# KiCad board AMC_FMC_Carrier-PcbDoc.kicad_pcb
note: Michał Gąska & Larry Doolittle; note: Marble Dual FMC Carrier
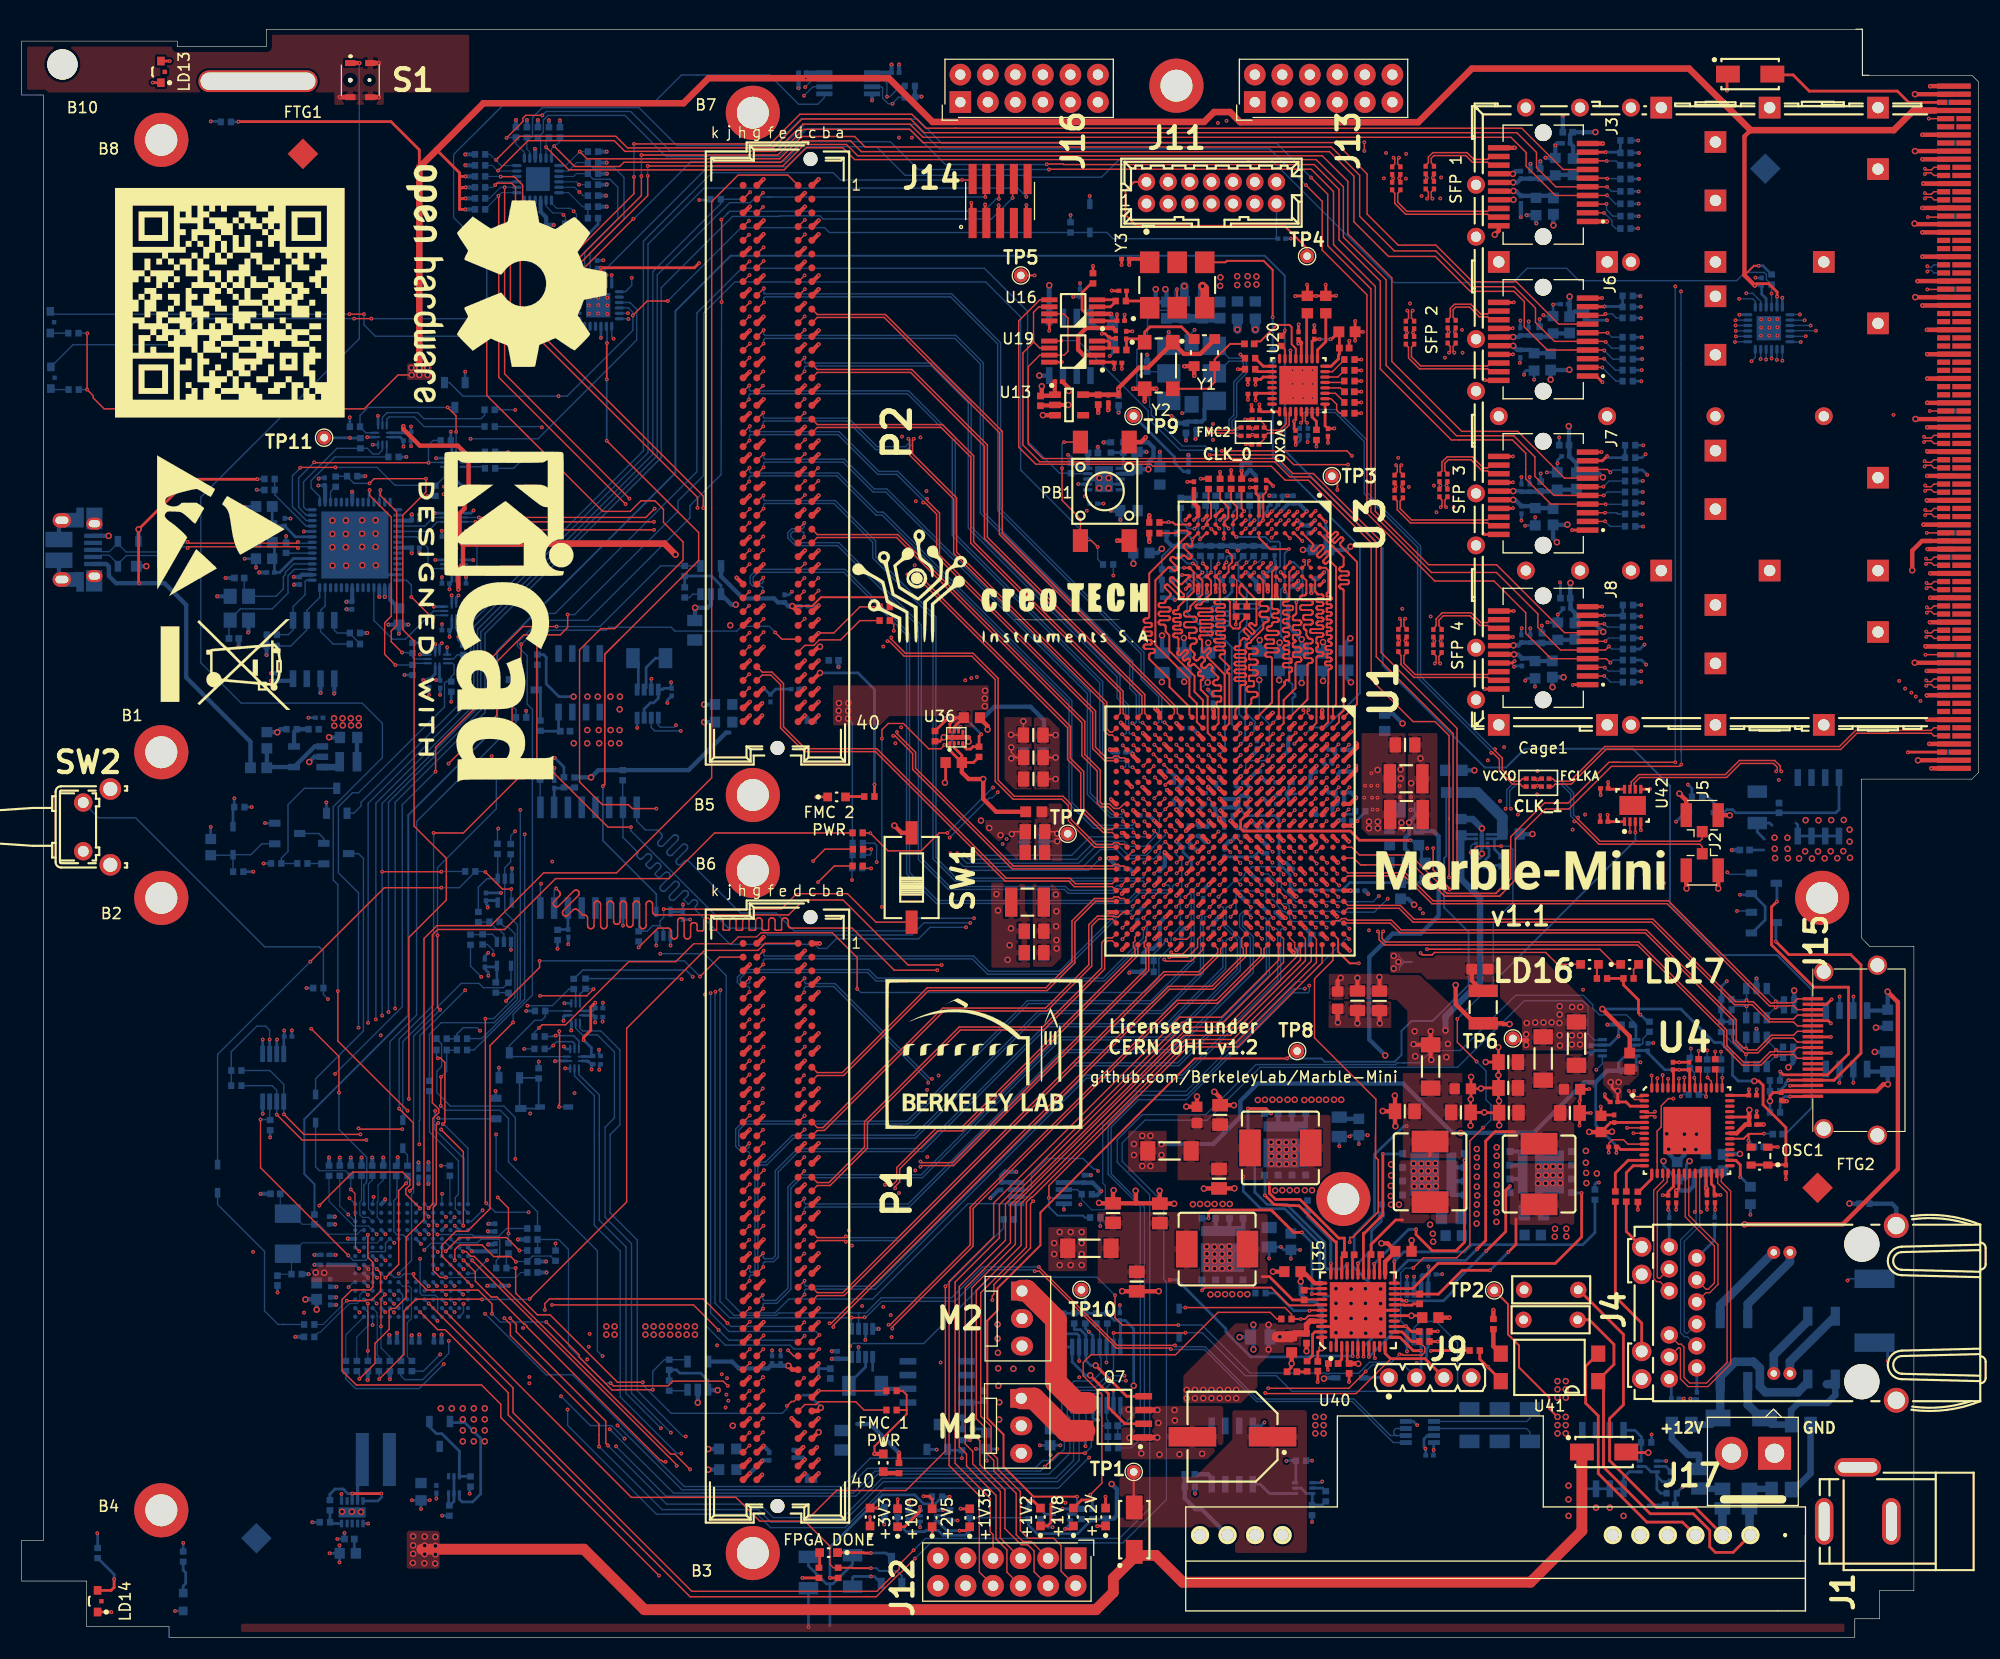
[diagram p0: board, top side]
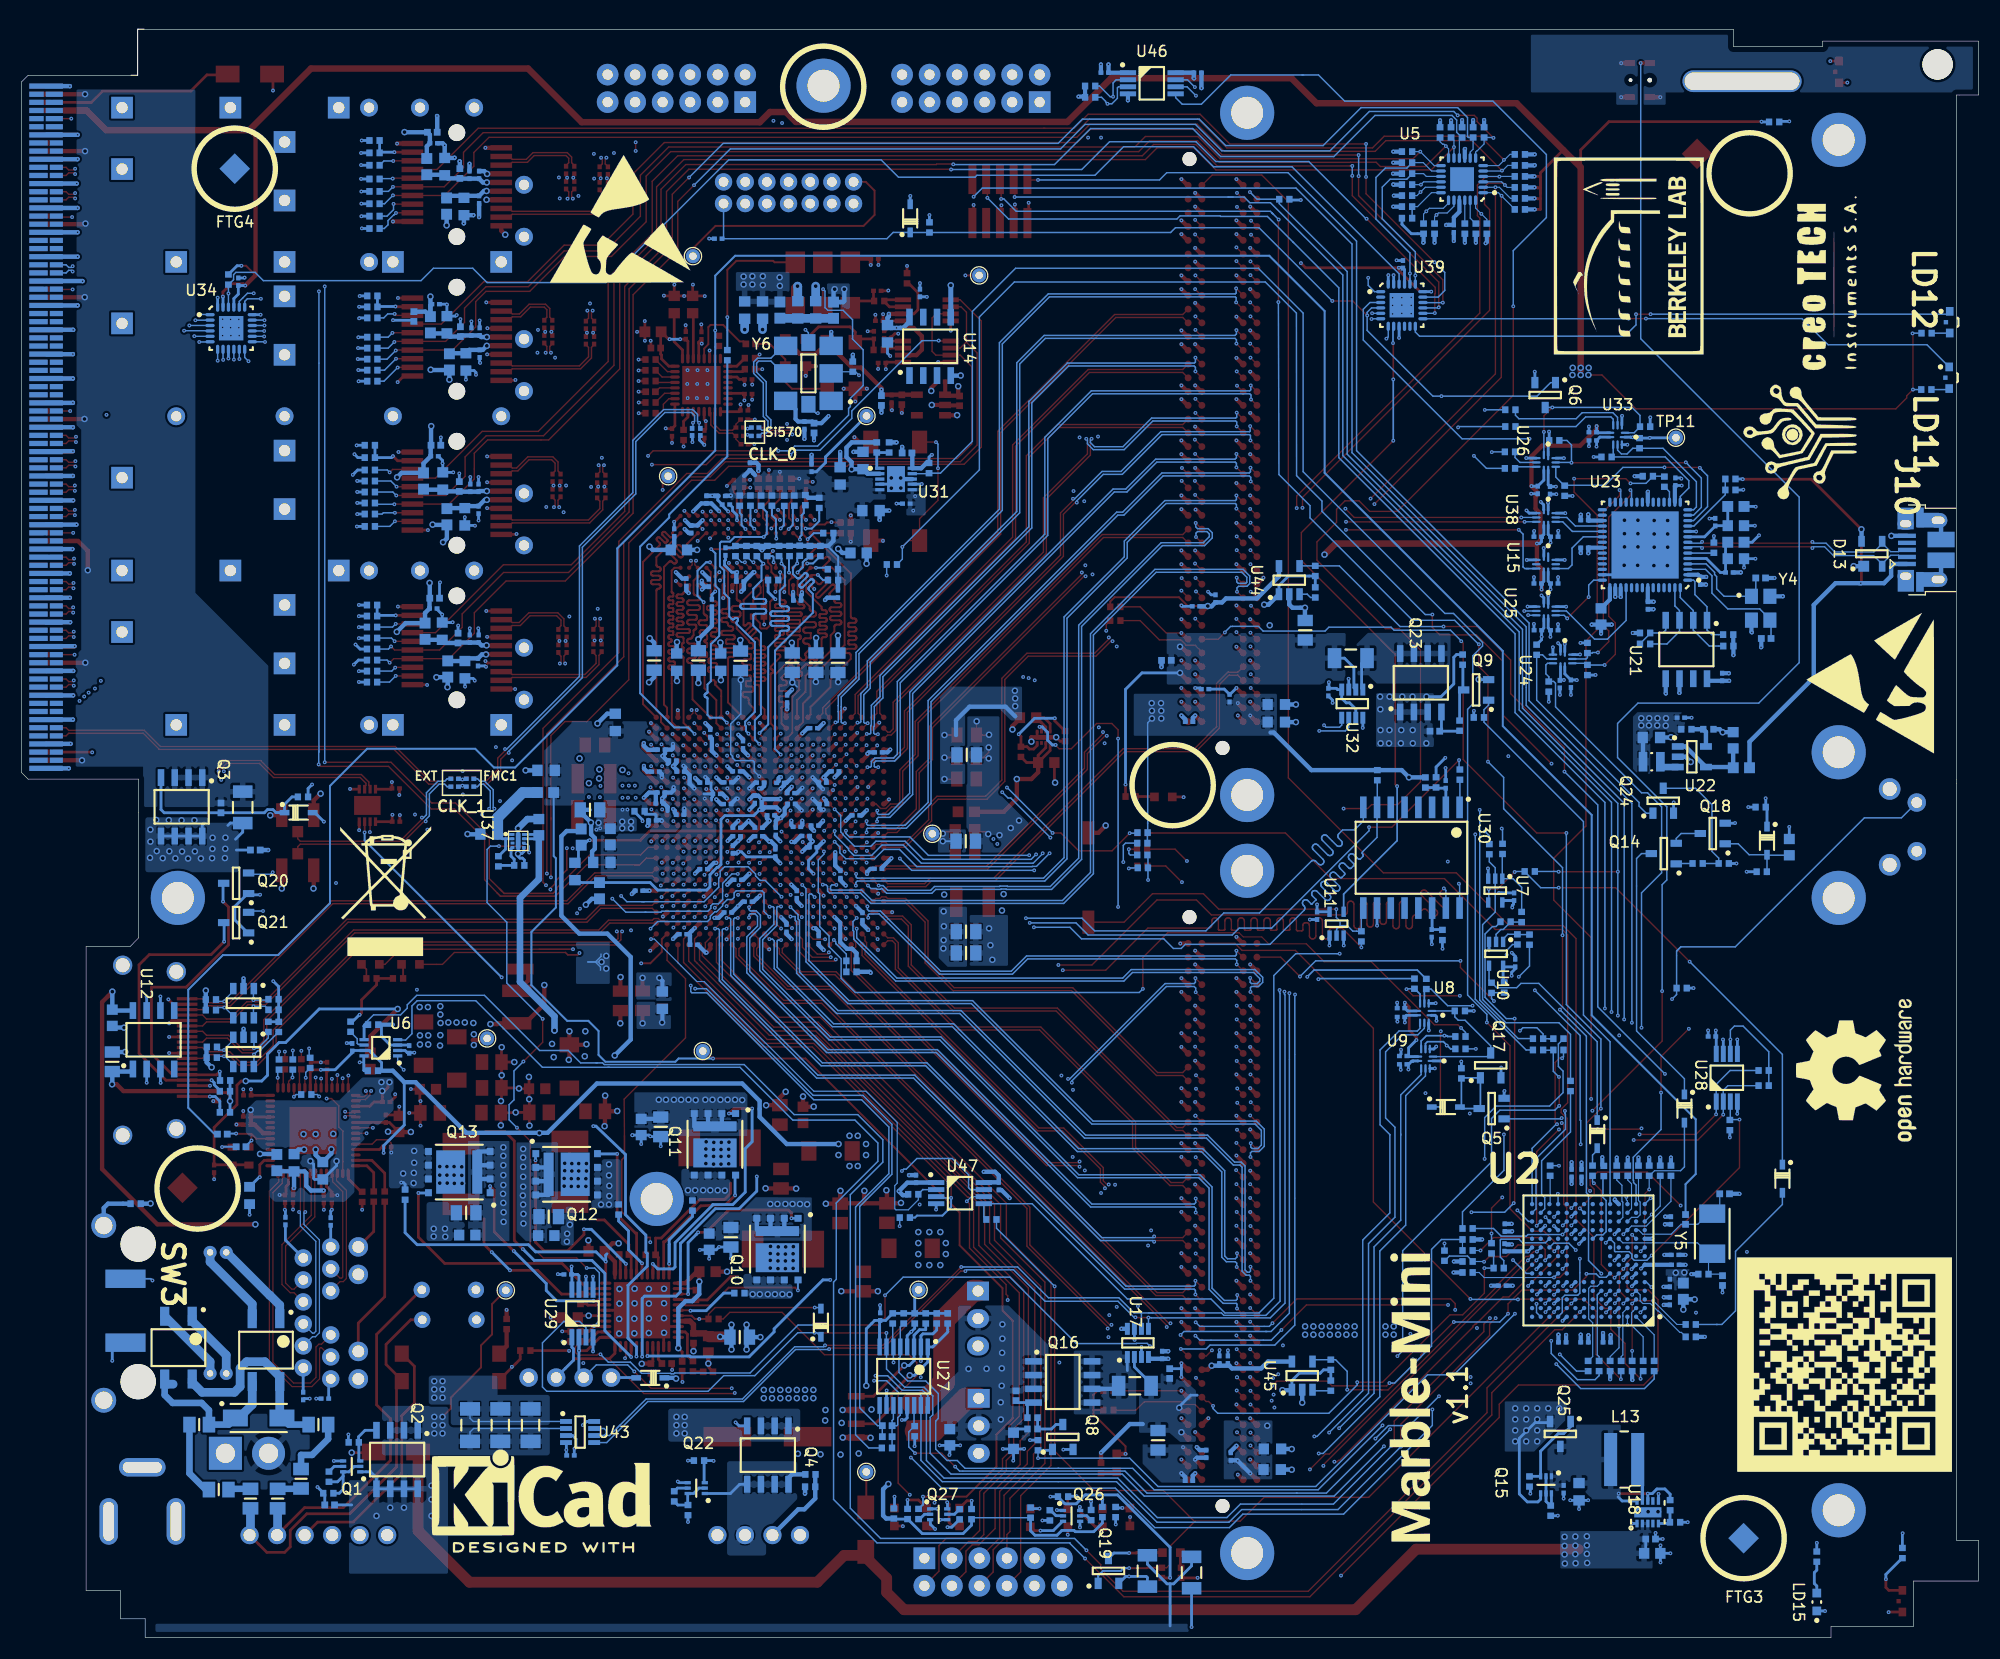
[diagram p1: board, bottom side, seen from below]

Outline 180.6 x 148.5 mm; copper layers: Top, In1.Cu (plane), In2.Cu, In3.Cu (plane), In4.Cu, In5.Cu, In6.Cu (plane), Bottom. Coordinates in mm from the lower left corner of the outline.
Outline path: 0,147.4 0,142.43 2,142.43 2,8.96 0,8.96 0,5.2 6,5.2 6,1 13.6,1 13.6,0 169.2,0 169.2,1.71 171.49,1.71 171.49,4.31 174.65,4.31 174.65,63.82 170.56,63.82 169.8,64.6 169.8,76.15 169.8,79.25 180,79.25 180.6,79.85 180.6,143.65 180,144.25 169.9,144.25 169.9,148.5 22.6,148.5 22.6,146.9 14.36,146.9 14.36,147.4 0,147.4

## Placement (name value [footprint] x y rotation side)
B1  PLATED_HOLE2.7_PAD5.0  [HOLE2.7_PAD5.0]  12.89 81.74 0 top
B2  PLATED_HOLE2.7_PAD5.0  [HOLE2.7_PAD5.0]  12.89 68.29 0 top
B3  PLATED_HOLE2.7_PAD5.0  [HOLE2.7_PAD5.0]  67.49 7.79 0 top
B4  PLATED_HOLE2.7_PAD5.0  [HOLE2.7_PAD5.0]  12.89 11.74 0 top
B5  PLATED_HOLE2.7_PAD5.0  [HOLE2.7_PAD5.0]  67.49 77.79 0 top
B6  PLATED_HOLE2.7_PAD5.0  [HOLE2.7_PAD5.0]  67.49 70.79 0 top
B7  PLATED_HOLE2.7_PAD5.0  [HOLE2.7_PAD5.0]  67.49 140.79 0 top
B8  PLATED_HOLE2.7_PAD5.0  [HOLE2.7_PAD5.0]  12.89 138.29 0 top
B9  SLOT_2_11  [HOLE2_SLOT11]  21.81 143.7 0 top
B10  PLATED_HOLE2.8_PAD0  [HOLE2.8_PAD0]  3.76 145.25 0 top
B11  PLATED_HOLE2.7_PAD5.0  [HOLE2.7_PAD5.0]  106.59 143.29 0 top
B12  PLATED_HOLE2.7_PAD5.0  [HOLE2.7_PAD5.0]  121.99 40.49 0 top
B13  PLATED_HOLE2.7_PAD5.0  [HOLE2.7_PAD5.0]  166.19 68.29 0 top
C1  CC0603_22UF_6.3V_20%_X5R  [CAPC1709X100N]  127.05 71.56 0 bottom
C2  CC1210_100UF_6.3V_20%_X5R  [CAPC3225X270N]  134.9 58.2 270 top
C3  CC0201_470NF_4V_20%_X5R  [CAPC0603X33N]  111.45 75.91 180 bottom
C4  CC0201_470NF_4V_20%_X5R  [CAPC0603X33N]  117.65 78.93 0 bottom
C5  CC0402_100NF_25V_10%_X5R  [CAPC1005X55N]  74.94 90.22 0 bottom
C6  CC0805_22UF_25V_20%_X5R  [CAPC2012X135N]  62.13 93 90 bottom
C7  CC0201_100NF_6.3V_10%_X5R  [CAPC0603X33N]  72.85 84.54 0 bottom
C8  CC0201_100NF_6.3V_10%_X5R  [CAPC0603X33N]  71.37 87.57 180 bottom
C9  CC0201_100NF_6.3V_10%_X5R  [CAPC0603X33N]  72.21 95.21 0 bottom
C10  CC0201_100NF_6.3V_10%_X5R  [CAPC0603X33N]  70.41 95.92 90 bottom
C11  CC0201_100NF_6.3V_10%_X5R  [CAPC0603X33N]  69.11 86.73 90 bottom
C12  CC0603_10UF_6.3V_20%_X5R  [CAPC1608X87N]  64.79 84.52 0 bottom
C13  CC0603_10UF_6.3V_20%_X5R  [CAPC1608X87N]  64.79 86.14 0 bottom
C14  CC0201_100NF_6.3V_10%_X5R  [CAPC0603X33N]  119.25 97.42 270 bottom
C15  CC0201_100NF_6.3V_10%_X5R  [CAPC0603X33N]  117.17 97.37 90 bottom
C16  CC0201_100NF_6.3V_10%_X5R  [CAPC0603X33N]  117.4 105.07 90 bottom
C17  CC0201_100NF_6.3V_10%_X5R  [CAPC0603X33N]  114.29 97.5 0 bottom
C18  CC0201_100NF_6.3V_10%_X5R  [CAPC0603X33N]  108.2 106.36 90 top
C19  CC0201_100NF_6.3V_10%_X5R  [CAPC0603X33N]  118.8 102.32 270 bottom
C20  CC0201_100NF_6.3V_10%_X5R  [CAPC0603X33N]  114.86 106.5 90 top
C21  CC0201_100NF_6.3V_10%_X5R  [CAPC0603X33N]  109.02 95.74 0 bottom
C22  CC0603_22UF_6.3V_20%_X5R  [CAPC1709X100N]  102.95 108.67 90 bottom
C23  CC0201_100NF_6.3V_10%_X5R  [CAPC0603X33N]  113.93 106.53 90 top
C24  CC0402_1UF_16V_10%_X5R  [CAPC1005X55N]  98.88 109.37 0 bottom
C25  CC0201_100NF_6.3V_10%_X5R  [CAPC0603X33N]  98.94 104.69 0 bottom
C26  CC0603_22UF_6.3V_20%_X5R  [CAPC1709X100N]  102.21 104.05 180 bottom
C27  CC0603_22UF_6.3V_20%_X5R  [CAPC1709X100N]  105.05 107.25 90 bottom
C28  CC0201_100NF_6.3V_10%_X5R  [CAPC0603X33N]  142.57 137.97 180 bottom
C29  CC0402_1UF_16V_10%_X5R  [CAPC1005X55N]  142.7 138.99 180 bottom
C30  CC0603_10UF_6.3V_20%_X5R  [CAPC1608X87N]  141.55 135.81 270 bottom
C31  CC0402_1UF_16V_10%_X5R  [CAPC1005X55N]  140.16 135.18 90 bottom
C32  CC0201_100NF_6.3V_10%_X5R  [CAPC0603X33N]  139.27 135.05 90 bottom
C33  CC0603_10UF_6.3V_20%_X5R  [CAPC1608X87N]  139.78 132.13 90 bottom
C34  CC0201_100NF_6.3V_10%_X5R  [CAPC0603X33N]  138.38 135.05 90 bottom
C35  CC0201_100NF_6.3V_10%_X5R  [CAPC0603X33N]  138.38 132.77 270 bottom
C36  CC0402_1UF_16V_10%_X5R  [CAPC1005X55N]  94.03 114.19 270 top
C37  CC0201_100NF_6.3V_10%_X5R  [CAPC0603X33N]  162.41 49.96 270 top
C38  CC0201_100NF_6.3V_10%_X5R  [CAPC0603X33N]  49.16 78.77 90 bottom
C39  CC0201_100NF_6.3V_10%_X5R  [CAPC0603X33N]  50.46 65.01 270 bottom
C40  CC0201_100NF_6.3V_10%_X5R  [CAPC0603X33N]  48.41 130.09 90 bottom
C41  CC0201_100NF_6.3V_10%_X5R  [CAPC0603X33N]  144.83 54.29 270 bottom
C42  CC0603_10UF_6.3V_20%_X5R  [CAPC1608X87N]  152.81 43.09 270 bottom
C43  CC0201_100NF_6.3V_10%_X5R  [CAPC0603X33N]  162.84 43.27 270 top
C44  CC0201_100NF_6.3V_10%_X5R  [CAPC0603X33N]  150.09 54.5 90 bottom
C45  CC0201_100NF_6.3V_10%_X5R  [CAPC0603X33N]  159.79 48.09 0 top
C46  CC0201_100NF_6.3V_10%_X5R  [CAPC0603X33N]  146.96 49.44 180 top
C47  CC0603_10UF_6.3V_20%_X5R  [CAPC1608X87N]  155.46 43.83 270 bottom
C48  CC0201_100NF_6.3V_10%_X5R  [CAPC0603X33N]  151.97 40.47 270 top
C49  CC0201_100NF_6.3V_10%_X5R  [CAPC0603X33N]  155.55 40.5 270 top
C50  CC0201_100NF_6.3V_10%_X5R  [CAPC0603X33N]  159.79 47.33 0 top
C51  CC0201_100NF_6.3V_10%_X5R  [CAPC0603X33N]  152.71 40.47 270 top
C52  CC0201_100NF_6.3V_10%_X5R  [CAPC0603X33N]  156.29 40.5 270 top
C53  CC0201_100NF_6.3V_10%_X5R  [CAPC0603X33N]  146.99 47.89 90 top
C54  CC0201_100NF_6.3V_10%_X5R  [CAPC0603X33N]  159.77 50.05 0 top
C55  CC0201_100NF_6.3V_10%_X5R  [CAPC0603X33N]  146.84 45.3 180 top
C56  CC0201_100NF_6.3V_10%_X5R  [CAPC0603X33N]  152.41 52.76 90 top
C57  CC0603_4.7UF_25V_10%_X5R  [CAPC1709X95N]  145.77 47.41 90 top
C58  CC0201_100NF_6.3V_10%_X5R  [CAPC0603X33N]  152.07 38.4 90 bottom
C59  CC0201_100NF_6.3V_10%_X5R  [CAPC0603X33N]  156.26 38.44 90 bottom
C60  CC0201_100NF_6.3V_10%_X5R  [CAPC0603X33N]  154.62 22.29 270 bottom
C61  CC0402_100NF_25V_10%_X5R  [CAPC1005X55N]  74.64 24.36 90 bottom
C62  CC0805_22UF_25V_20%_X5R  [CAPC2012X135N]  75.72 18.2 270 bottom
C63  CC0201_100NF_6.3V_10%_X5R  [CAPC0603X33N]  72.86 14.45 0 bottom
C64  CC0201_100NF_6.3V_10%_X5R  [CAPC0603X33N]  71.26 16.94 270 bottom
C65  CC0201_100NF_6.3V_10%_X5R  [CAPC0603X33N]  70.05 25.64 90 bottom
C66  CC0201_100NF_6.3V_10%_X5R  [CAPC0603X33N]  69.27 25.64 90 bottom
C67  CC0201_100NF_6.3V_10%_X5R  [CAPC0603X33N]  69 16.7 90 bottom
C68  CC0603_10UF_6.3V_20%_X5R  [CAPC1608X87N]  65.15 17.4 0 bottom
C69  CC0603_10UF_6.3V_20%_X5R  [CAPC1608X87N]  65.18 15.49 0 bottom
C70  CC0201_100NF_6.3V_10%_X5R  [CAPC0603X33N]  142.39 123.11 180 bottom
C71  CC0402_1UF_16V_10%_X5R  [CAPC1005X55N]  144.4 121.97 270 bottom
C72  CC0603_10UF_6.3V_20%_X5R  [CAPC1608X87N]  141.35 121.21 270 bottom
C73  CC0402_1UF_16V_10%_X5R  [CAPC1005X55N]  140.11 120.57 90 bottom
C74  CC0201_100NF_6.3V_10%_X5R  [CAPC0603X33N]  138.33 120.57 90 bottom
C75  CC0603_10UF_6.3V_20%_X5R  [CAPC1608X87N]  139.6 117.78 90 bottom
C76  CC0201_100NF_6.3V_10%_X5R  [CAPC0603X33N]  139.09 120.57 90 bottom
C77  CC0201_100NF_6.3V_10%_X5R  [CAPC0603X33N]  138.33 118.54 270 bottom
C78  CC0201_100NF_6.3V_10%_X5R  [CAPC0603X33N]  61.04 66.64 270 bottom
C79  CC0201_100NF_6.3V_10%_X5R  [CAPC0603X33N]  153.9 52.76 90 top
C80  CC0201_100NF_6.3V_10%_X5R  [CAPC0603X33N]  95.71 115.96 0 top
C81  CC0402_1UF_16V_10%_X5R  [CAPC1005X55N]  99.36 114.29 270 top
C82  CC0201_100NF_6.3V_10%_X5R  [CAPC0603X33N]  142.49 109.07 180 bottom
C83  CC0402_1UF_16V_10%_X5R  [CAPC1005X55N]  142.37 110.08 180 bottom
C84  CC0603_10UF_6.3V_20%_X5R  [CAPC1608X87N]  141.73 106.78 270 bottom
C85  CC0402_1UF_16V_10%_X5R  [CAPC1005X55N]  140.21 106.27 90 bottom
C86  CC0201_100NF_6.3V_10%_X5R  [CAPC0603X33N]  139.19 106.15 90 bottom
C87  CC0603_10UF_6.3V_20%_X5R  [CAPC1608X87N]  139.7 103.48 90 bottom
C88  CC0201_100NF_6.3V_10%_X5R  [CAPC0603X33N]  138.43 106.15 90 bottom
C89  CC0201_100NF_6.3V_10%_X5R  [CAPC0603X33N]  138.43 104.11 270 bottom
C90  CC0201_100NF_6.3V_10%_X5R  [CAPC0603X33N]  100.99 120.31 270 top
C91  CC0201_100NF_6.3V_10%_X5R  [CAPC0603X33N]  100.3 114.36 270 top
C92  CC0402_150PF_50V_5%_C0G  [CAPC1005X55N]  23.42 40.96 180 bottom
C93  CC0402_22PF_50V_5%_C0G  [CAPC1005X55N]  23.61 32.95 270 bottom
C94  CC0201_100NF_6.3V_10%_X5R  [CAPC0603X33N]  142.61 95.01 180 bottom
C95  CC0402_1UF_16V_10%_X5R  [CAPC1005X55N]  142.48 95.96 180 bottom
C96  CC0603_10UF_6.3V_20%_X5R  [CAPC1608X87N]  141.78 92.91 270 bottom
C97  CC0402_1UF_16V_10%_X5R  [CAPC1005X55N]  140.32 92.28 90 bottom
C98  CC0201_100NF_6.3V_10%_X5R  [CAPC0603X33N]  138.42 92.21 90 bottom
C99  CC0603_10UF_6.3V_20%_X5R  [CAPC1608X87N]  139.69 89.36 90 bottom
C100  CC0201_100NF_6.3V_10%_X5R  [CAPC0603X33N]  139.24 92.21 90 bottom
C101  CC0201_100NF_6.3V_10%_X5R  [CAPC0603X33N]  138.48 90.06 270 bottom
C102  CC0402_100PF_50V_5%_C0G  [CAPC1005X55N]  27.02 38.59 90 bottom
C103  CC0603_4.7UF_25V_10%_X5R  [CAPC1709X95N]  172.24 57.21 270 bottom
C104  CC0805_4.7UF_10V_10%_X5R  [CAPC2012X135N]  172.24 53.15 90 bottom
C105  CC0603_4.7UF_25V_10%_X5R  [CAPC1709X95N]  117.22 27.06 270 top
C106  CC0603_22UF_6.3V_20%_X5R  [CAPC1709X100N]  100.68 120.38 270 bottom
C107  CC0402_10NF_35V_10%_X7R  [CAPC1005X55N]  101.24 114.21 270 bottom
C108  CC0201_100NF_6.3V_10%_X5R  [CAPC0603X33N]  101.62 124.35 180 top
C109  CC0201_100NF_6.3V_10%_X5R  [CAPC0603X33N]  101.94 120.26 90 top
C110  CC0201_100NF_6.3V_10%_X5R  [CAPC0603X33N]  97.69 124.14 270 bottom
C111  CC0603_22UF_6.3V_20%_X5R  [CAPC1709X100N]  107.31 122.59 90 bottom
C112  CC0201_100NF_6.3V_10%_X5R  [CAPC0603X33N]  101.45 121.58 0 top
C113  CC0603_22UF_6.3V_20%_X5R  [CAPC1709X100N]  108.97 122.59 90 bottom
C114  CC0402_2.2NF_50V_10%_X7R  [CAPC1005X55N]  113.31 119.45 0 top
C115  CC0201_100NF_6.3V_10%_X5R  [CAPC0603X33N]  101.88 127.29 180 top
C116  CC0201_100NF_6.3V_10%_X5R  [CAPC0603X33N]  113.54 114.82 180 top
C117  CC0201_100NF_6.3V_10%_X5R  [CAPC0603X33N]  101.19 117.69 0 top
C118  CC0603_22UF_6.3V_20%_X5R  [CAPC1709X100N]  112.22 122.57 270 bottom
C119  CC0603_22UF_6.3V_20%_X5R  [CAPC1709X100N]  113.87 122.57 270 bottom
C120  CC0603_22UF_6.3V_20%_X5R  [CAPC1709X100N]  118.67 123.08 90 top
C121  CC0603_22UF_6.3V_20%_X5R  [CAPC1709X100N]  120.37 123.08 90 top
C122  CC0201_100NF_6.3V_10%_X5R  [CAPC0603X33N]  117.58 111.1 270 top
C123  CC0402_1UF_16V_10%_X5R  [CAPC1005X55N]  122.07 119.06 0 top
C124  CC0201_100NF_6.3V_10%_X5R  [CAPC0603X33N]  113.54 116.17 180 top
C125  CC0201_100NF_6.3V_10%_X5R  [CAPC0603X33N]  117.86 120.21 90 top
C126  CC0201_100NF_6.3V_10%_X5R  [CAPC0603X33N]  119.3 120.23 90 top
C127  CC0603_4.7UF_25V_10%_X5R  [CAPC1709X95N]  130.02 29.52 0 top
C128  CC0402_100NF_25V_10%_X5R  [CAPC1005X55N]  152.17 12.23 0 bottom
C129  CC0603_4.7UF_25V_10%_X5R  [CAPC1709X95N]  30.1 7.76 180 bottom
C130  CC0402_100NF_25V_10%_X5R  [CAPC1005X55N]  30.25 9.08 180 bottom
C131  CC0402_100NF_25V_10%_X5R  [CAPC1005X55N]  159.03 72.7 180 bottom
C132  CC0603_22UF_6.3V_20%_X5R  [CAPC1709X100N]  36.85 13.45 270 bottom
C133  CC0201_100NF_6.3V_10%_X5R  [CAPC0603X33N]  38.28 13.68 270 bottom
C134  CC0402_100NF_25V_10%_X5R  [CAPC1005X55N]  88.82 22.31 270 bottom
C135  CC0402_100NF_25V_10%_X5R  [CAPC1005X55N]  50.16 83.68 180 bottom
C136  CC0201_100NF_6.3V_10%_X5R  [CAPC0603X33N]  75.34 26.07 90 bottom
C137  CC0402_100NF_25V_10%_X5R  [CAPC1005X55N]  118.59 27.62 270 top
C138  CC0402_2.2NF_50V_10%_X7R  [CAPC1005X55N]  121.06 25.29 0 top
C139  CC0603_4.7UF_25V_10%_X5R  [CAPC1709X95N]  132.87 74.82 90 bottom
C140  CC0402_100NF_25V_10%_X5R  [CAPC1005X55N]  122.52 24.83 270 top
C141  CC0805_22UF_25V_20%_X5R  [CAPC2012X135N]  114.32 27.72 180 bottom
C142  CC0603_4.7UF_25V_10%_X5R  [CAPC1709X95N]  87.71 84.92 0 top
C143  CC0603_4.7UF_25V_10%_X5R  [CAPC1709X95N]  86.03 80.78 180 top
C144  CC0603_4.7UF_25V_10%_X5R  [CAPC1709X95N]  117.3 33.77 180 top
C145  CC0603_22UF_6.3V_20%_X5R  [CAPC1709X100N]  137.46 74.18 0 bottom
C146  CC0603_22UF_6.3V_20%_X5R  [CAPC1709X100N]  132.19 80.06 0 bottom
C147  CC0402_100NF_25V_10%_X5R  [CAPC1005X55N]  118.37 31.61 270 top
C148  CC0402_100NF_25V_10%_X5R  [CAPC1005X55N]  122.54 35.33 180 top
C149  CC0402_100NF_25V_10%_X5R  [CAPC1005X55N]  125 35.35 180 top
C150  CC0402_100NF_25V_10%_X5R  [CAPC1005X55N]  129.02 31.25 90 top
C151  CC0805_22UF_25V_20%_X5R  [CAPC2012X135N]  115.14 36.94 270 bottom
C152  CC0805_47UF_6.3V_20%_X5R  [CAPC2012X140N]  100.74 39.18 90 top
C153  CC0805_22UF_25V_20%_X5R  [CAPC2012X135N]  121.61 47.14 270 bottom
C154  CC0805_47UF_6.3V_20%_X5R  [CAPC2012X140N]  110.62 48.25 90 top
C155  CC0805_22UF_25V_20%_X5R  [CAPC2012X135N]  131.95 38.85 180 bottom
C156  CC0805_47UF_6.3V_20%_X5R  [CAPC2012X140N]  127.66 48.58 180 top
C157  CC0805_22UF_25V_20%_X5R  [CAPC2012X135N]  139.57 39.2 0 bottom
C158  CC0805_47UF_6.3V_20%_X5R  [CAPC2012X140N]  142.9 48.42 0 top
C159  CC0603_4.7UF_25V_10%_X5R  [CAPC1709X95N]  117.14 36.54 270 bottom
C160  CC0805_47UF_6.3V_20%_X5R  [CAPC2012X140N]  102.92 32.85 270 top
C161  CC0603_4.7UF_25V_10%_X5R  [CAPC1709X95N]  123.42 47.13 270 bottom
C162  CC0603_4.7UF_25V_10%_X5R  [CAPC1709X95N]  22.63 82.84 90 bottom
C163  CC0201_100NF_6.3V_10%_X5R  [CAPC0603X33N]  23.65 88.68 90 bottom
C164  CC0201_100NF_6.3V_10%_X5R  [CAPC0603X33N]  27.96 106.72 90 bottom
C165  CC0402_22PF_50V_5%_C0G  [CAPC1005X55N]  20.09 97.83 180 bottom
C166  CC0201_100NF_6.3V_10%_X5R  [CAPC0603X33N]  27.46 84.92 180 bottom
C167  CC0603_4.7UF_25V_10%_X5R  [CAPC1709X95N]  22.38 99.61 180 bottom
C168  CC0603_4.7UF_25V_10%_X5R  [CAPC1709X95N]  22.38 102.65 180 bottom
C169  CC0201_100NF_6.3V_10%_X5R  [CAPC0603X33N]  25.68 97.57 270 bottom
C170  CC0201_100NF_6.3V_10%_X5R  [CAPC0603X33N]  30.5 95.29 270 bottom
C171  CC0402_22PF_50V_5%_C0G  [CAPC1005X55N]  19.58 92.24 0 bottom
C172  CC0603_22UF_6.3V_20%_X5R  [CAPC1709X100N]  30.17 83.1 180 bottom
C173  CC0603_4.7UF_25V_10%_X5R  [CAPC1709X95N]  34.82 94.27 270 bottom
C174  CC0201_100NF_6.3V_10%_X5R  [CAPC0603X33N]  22.98 98.34 180 bottom
C175  CC0201_100NF_6.3V_10%_X5R  [CAPC0603X33N]  24.28 102.98 90 bottom
C176  CC0201_100NF_6.3V_10%_X5R  [CAPC0603X33N]  36.35 103.16 0 bottom
C177  CC0201_100NF_6.3V_10%_X5R  [CAPC0603X33N]  36.35 100.62 0 bottom
C178  CC0201_100NF_6.3V_10%_X5R  [CAPC0603X33N]  37.6 88.06 270 bottom
C179  CC0201_100NF_6.3V_10%_X5R  [CAPC0603X33N]  38.63 88.02 270 bottom
C180  CC0201_100NF_6.3V_10%_X5R  [CAPC0603X33N]  39.14 93 180 bottom
C181  CC0201_100NF_6.3V_10%_X5R  [CAPC0603X33N]  40.65 93 0 bottom
C182  CC0201_100NF_6.3V_10%_X5R  [CAPC0603X33N]  39.53 105.92 270 bottom
C183  CC0201_100NF_6.3V_10%_X5R  [CAPC0603X33N]  35.58 110.53 0 bottom
C184  CC0201_100NF_6.3V_10%_X5R  [CAPC0603X33N]  39.14 101.64 180 bottom
C185  CC0201_100NF_6.3V_10%_X5R  [CAPC0603X33N]  40.66 105.96 270 bottom
C186  CC0201_100NF_6.3V_10%_X5R  [CAPC0603X33N]  35.58 111.29 0 bottom
C187  CC0201_100NF_6.3V_10%_X5R  [CAPC0603X33N]  40.66 101.64 0 bottom
C188  CC0402_10NF_35V_10%_X7R  [CAPC1005X55N]  100.71 19.54 180 bottom
C189  CC0402_10NF_35V_10%_X7R  [CAPC1005X55N]  100.71 18.53 180 bottom
C190  CC0201_100NF_6.3V_10%_X5R  [CAPC0603X33N]  101.36 29.62 90 bottom
C191  CC0201_100NF_6.3V_10%_X5R  [CAPC0603X33N]  24.59 55.49 180 bottom
C192  CC0201_100NF_6.3V_10%_X5R  [CAPC0603X33N]  130.2 33.51 180 bottom
C193  CC0201_100NF_6.3V_10%_X5R  [CAPC0603X33N]  116.31 129.16 0 bottom
C194  CC0805_47UF_6.3V_20%_X5R  [CAPC2012X140N]  110.51 42.35 270 top
C195  CC0603_4.7UF_25V_10%_X5R  [CAPC1709X95N]  132.18 37.1 180 bottom
C196  CC0201_100NF_6.3V_10%_X5R  [CAPC0603X33N]  113.92 113.3 180 top
C197  CC0201_100NF_6.3V_10%_X5R  [CAPC0603X33N]  38.4 27.24 180 bottom
C198  CC0201_100NF_6.3V_10%_X5R  [CAPC0603X33N]  43.94 32.47 0 bottom
C199  CC0201_100NF_6.3V_10%_X5R  [CAPC0603X33N]  28.47 32.72 270 bottom
C200  CC0201_100NF_6.3V_10%_X5R  [CAPC0603X33N]  43.74 36 90 bottom
C201  CC0201_100NF_6.3V_10%_X5R  [CAPC0603X33N]  36.35 27.24 180 bottom
C202  CC0201_100NF_6.3V_10%_X5R  [CAPC0603X33N]  37.54 42.86 90 bottom
C203  CC0201_100NF_6.3V_10%_X5R  [CAPC0603X33N]  28.47 31.05 270 bottom
C204  CC0201_100NF_6.3V_10%_X5R  [CAPC0603X33N]  43.71 37.83 90 bottom
C205  CC0201_100NF_6.3V_10%_X5R  [CAPC0603X33N]  28.37 38.49 90 bottom
C206  CC0201_100NF_6.3V_10%_X5R  [CAPC0603X33N]  34.29 27.24 180 bottom
C207  CC0201_100NF_6.3V_10%_X5R  [CAPC0603X33N]  27.96 34.4 180 bottom
C208  CC0201_100NF_6.3V_10%_X5R  [CAPC0603X33N]  36.63 42.86 90 bottom
C209  CC0201_100NF_6.3V_10%_X5R  [CAPC0603X33N]  27.99 35.32 180 bottom
C210  CC0201_100NF_6.3V_10%_X5R  [CAPC0603X33N]  120.57 111.26 270 top
C211  CC0201_100NF_6.3V_10%_X5R  [CAPC0603X33N]  53.09 52.92 0 bottom
C212  CC0201_100NF_6.3V_10%_X5R  [CAPC0603X33N]  53.29 57.29 0 bottom
C213  CC0201_100NF_6.3V_10%_X5R  [CAPC0603X33N]  53.29 58.1 0 bottom
C214  CC0201_100NF_6.3V_10%_X5R  [CAPC0603X33N]  53.09 53.68 0 bottom
C215  CC0201_100NF_6.3V_10%_X5R  [CAPC0603X33N]  160.6 125.18 90 bottom
C216  CC0201_470NF_4V_20%_X5R  [CAPC0603X33N]  109.04 74.84 180 bottom
C217  CC0201_100NF_6.3V_10%_X5R  [CAPC0603X33N]  116.46 77.89 180 bottom
C218  CC0201_100NF_6.3V_10%_X5R  [CAPC0603X33N]  114.6 74.76 180 bottom
C219  CC0201_100NF_6.3V_10%_X5R  [CAPC0603X33N]  119.79 79.95 0 bottom
C220  CC0201_100NF_6.3V_10%_X5R  [CAPC0603X33N]  112.57 74.76 0 bottom
C221  CC0201_100NF_6.3V_10%_X5R  [CAPC0603X33N]  119.84 75.96 0 bottom
C222  CC0603_22UF_6.3V_20%_X5R  [CAPC1709X100N]  129.54 70.73 270 bottom
C223  CC0201_470NF_4V_20%_X5R  [CAPC0603X33N]  114.6 73.98 180 bottom
C224  CC0201_100NF_6.3V_10%_X5R  [CAPC0603X33N]  112.93 77.38 90 bottom
C225  CC0603_22UF_6.3V_20%_X5R  [CAPC1709X100N]  125.81 84.49 90 bottom
C226  CC0201_470NF_4V_20%_X5R  [CAPC0603X33N]  112.57 73.98 180 bottom
C227  CC0201_470NF_4V_20%_X5R  [CAPC0603X33N]  108.23 74 180 bottom
C228  CC0201_470NF_4V_20%_X5R  [CAPC0603X33N]  120.52 80.96 180 bottom
C229  CC0201_470NF_4V_20%_X5R  [CAPC0603X33N]  107.39 74.97 180 bottom
C230  CC0201_100NF_6.3V_10%_X5R  [CAPC0603X33N]  121.72 77 0 bottom
C231  CC0201_470NF_4V_20%_X5R  [CAPC0603X33N]  111 74.43 90 bottom
C232  CC0201_100NF_6.3V_10%_X5R  [CAPC0603X33N]  122.1 79.95 0 bottom
C233  CC0805_4.7UF_10V_10%_X5R  [CAPC2012X135N]  93.46 73.52 180 bottom
C234  CC0201_100NF_6.3V_10%_X5R  [CAPC0603X33N]  121.56 81.98 0 bottom
C235  CC0805_4.7UF_10V_10%_X5R  [CAPC2012X135N]  93.53 74.4 180 top
C236  CC0201_100NF_6.3V_10%_X5R  [CAPC0603X33N]  122.38 75.42 0 bottom
C237  CC0805_4.7UF_10V_10%_X5R  [CAPC2012X135N]  93.52 72.48 180 top
C238  CC0201_100NF_6.3V_10%_X5R  [CAPC0603X33N]  121.59 78.02 0 bottom
C239  CC1210_100UF_6.3V_20%_X5R  [CAPC3225X270N]  92.84 67.89 180 top
C240  CC0805_4.7UF_10V_10%_X5R  [CAPC2012X135N]  93.38 81.24 180 top
C241  CC0805_4.7UF_10V_10%_X5R  [CAPC2012X135N]  93.43 63.19 180 bottom
C242  CC0805_4.7UF_10V_10%_X5R  [CAPC2012X135N]  93.43 65.16 180 bottom
C243  CC0805_4.7UF_10V_10%_X5R  [CAPC2012X135N]  93.45 63.23 180 top
C244  CC0201_470NF_4V_20%_X5R  [CAPC0603X33N]  114.5 69.95 180 bottom
C245  CC0201_470NF_4V_20%_X5R  [CAPC0603X33N]  101.52 81.72 0 bottom